# Altium PCB PCB1.PcbDoc (part 1 of 2)
Units mil, origin at the board's own origin, x right, y up, seen from the top; angles counter-clockwise.
Board outline 1850.39 x 1850.39 mil, 4 copper layers (Component Side, Ground Plane, Power Plane, Solder Side), stack 33.234 mil thick; 81 components, 68 nets, 324 pads, 677 vias.
Unrouted connection lines stored in the file: 1.
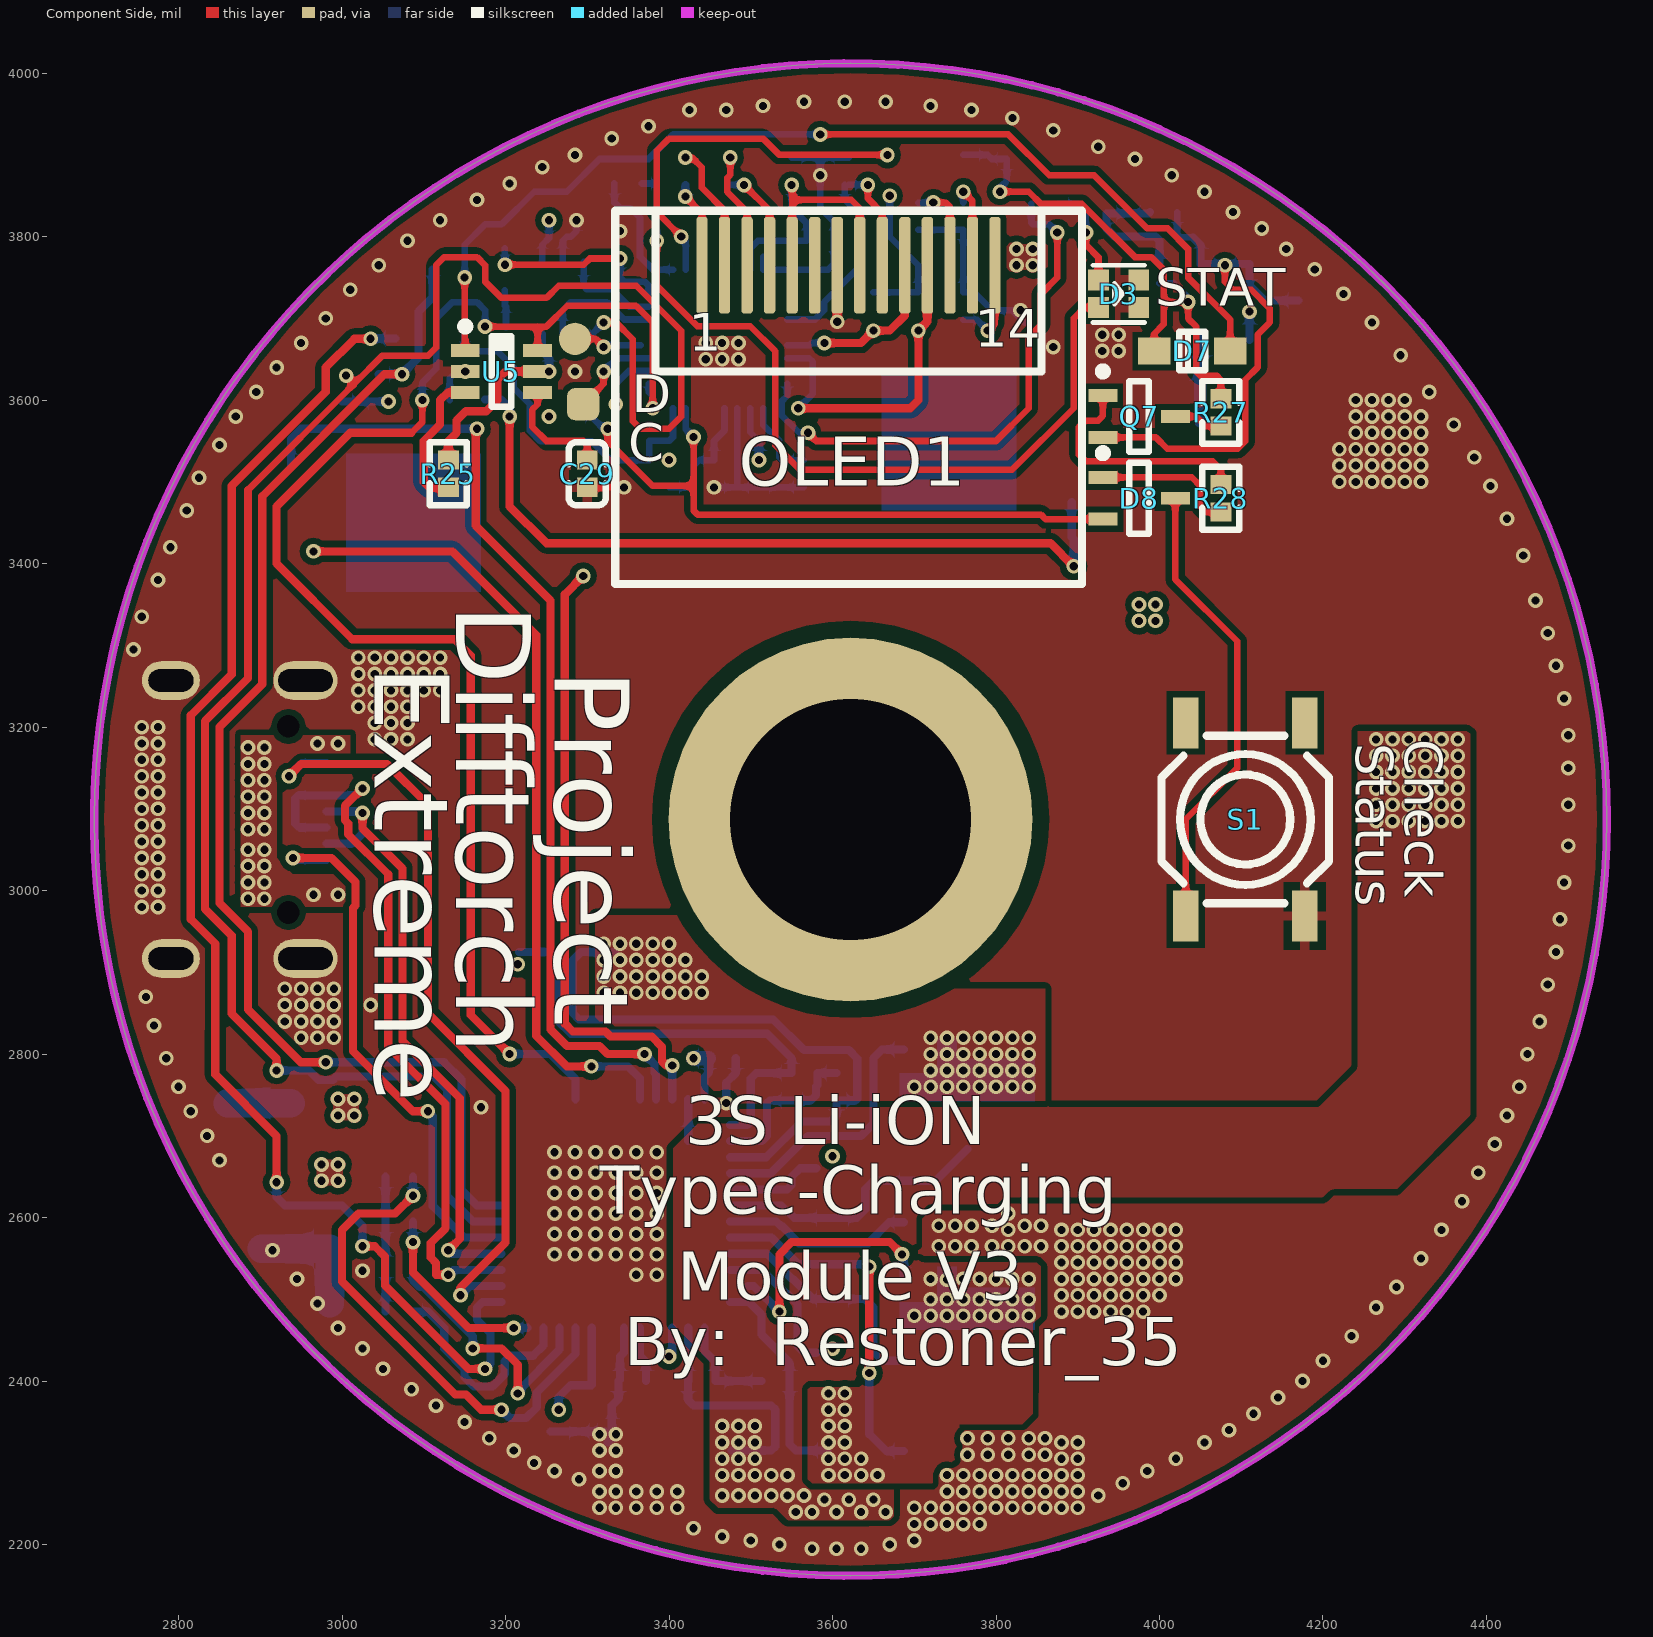
[diagram p0: Component Side view]
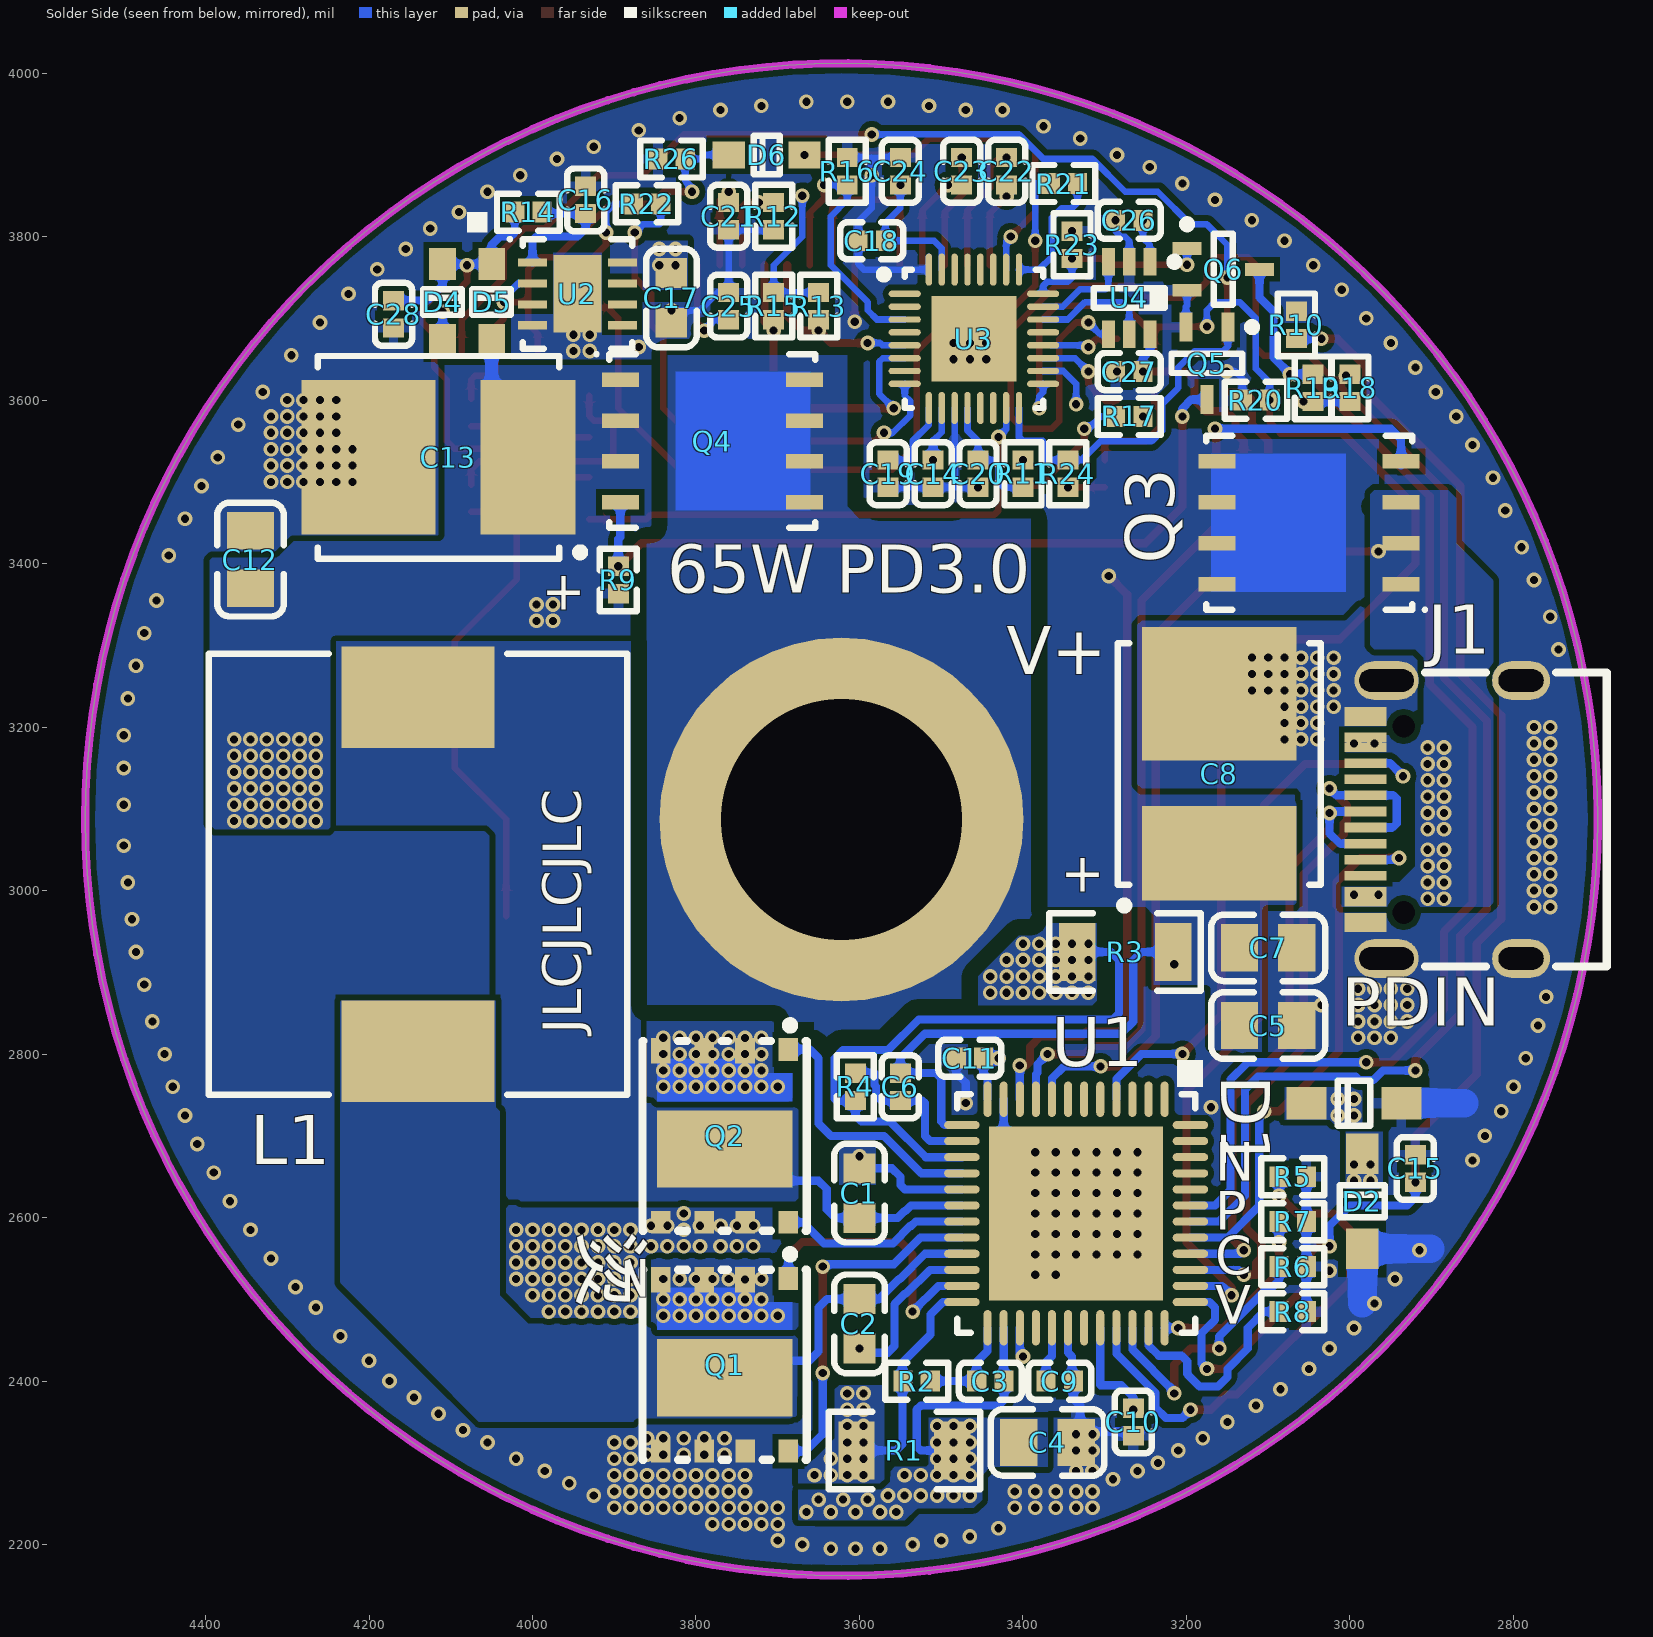
[diagram p1: Solder Side view, seen from below]
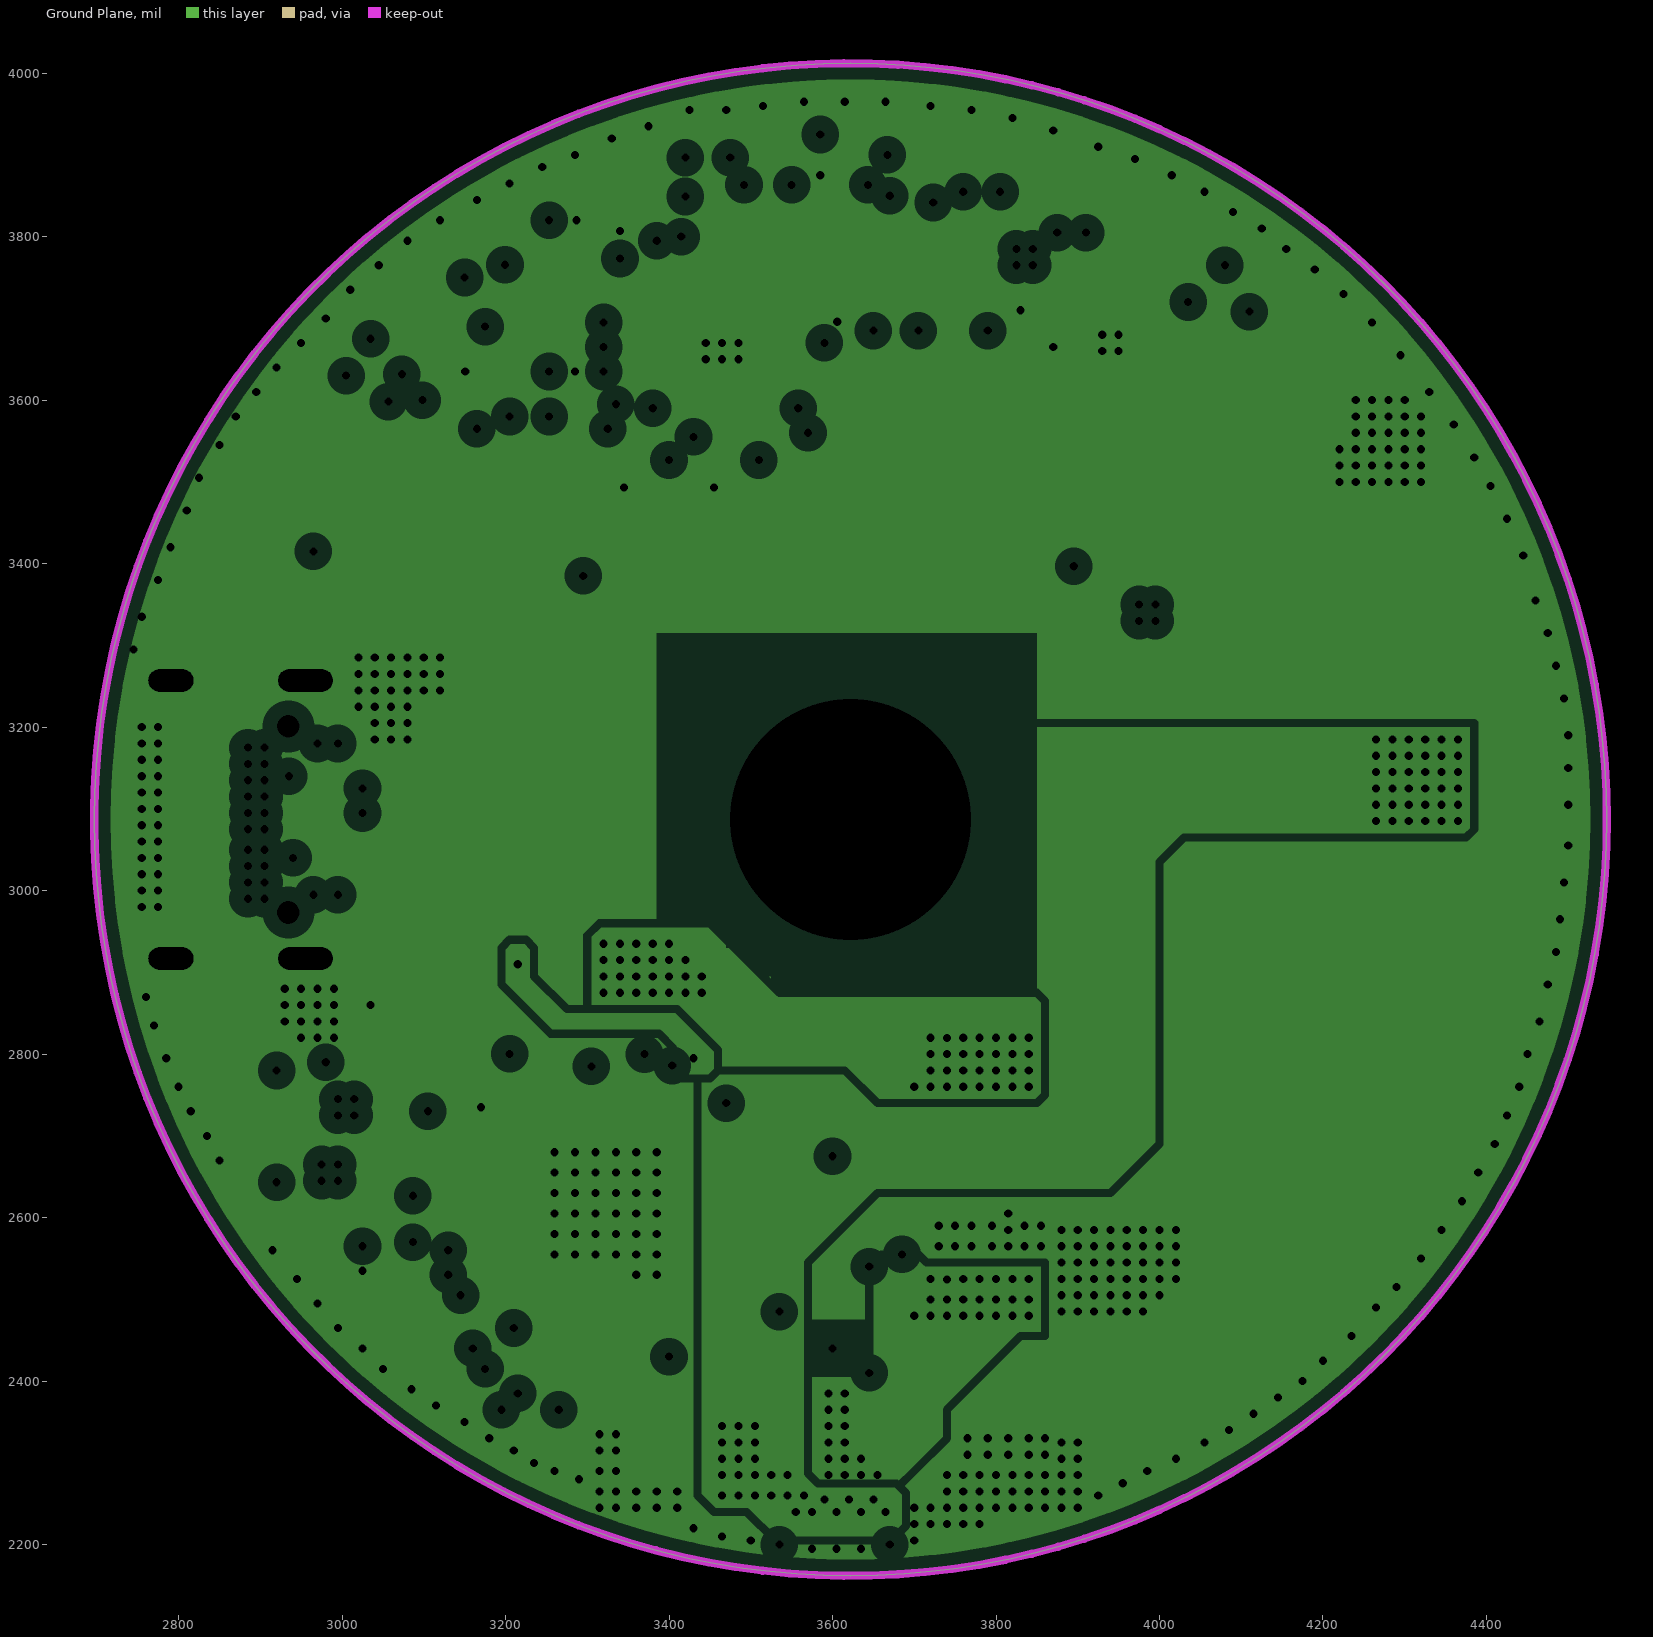
[diagram p2: Ground Plane, clearances drawn from the general rule]
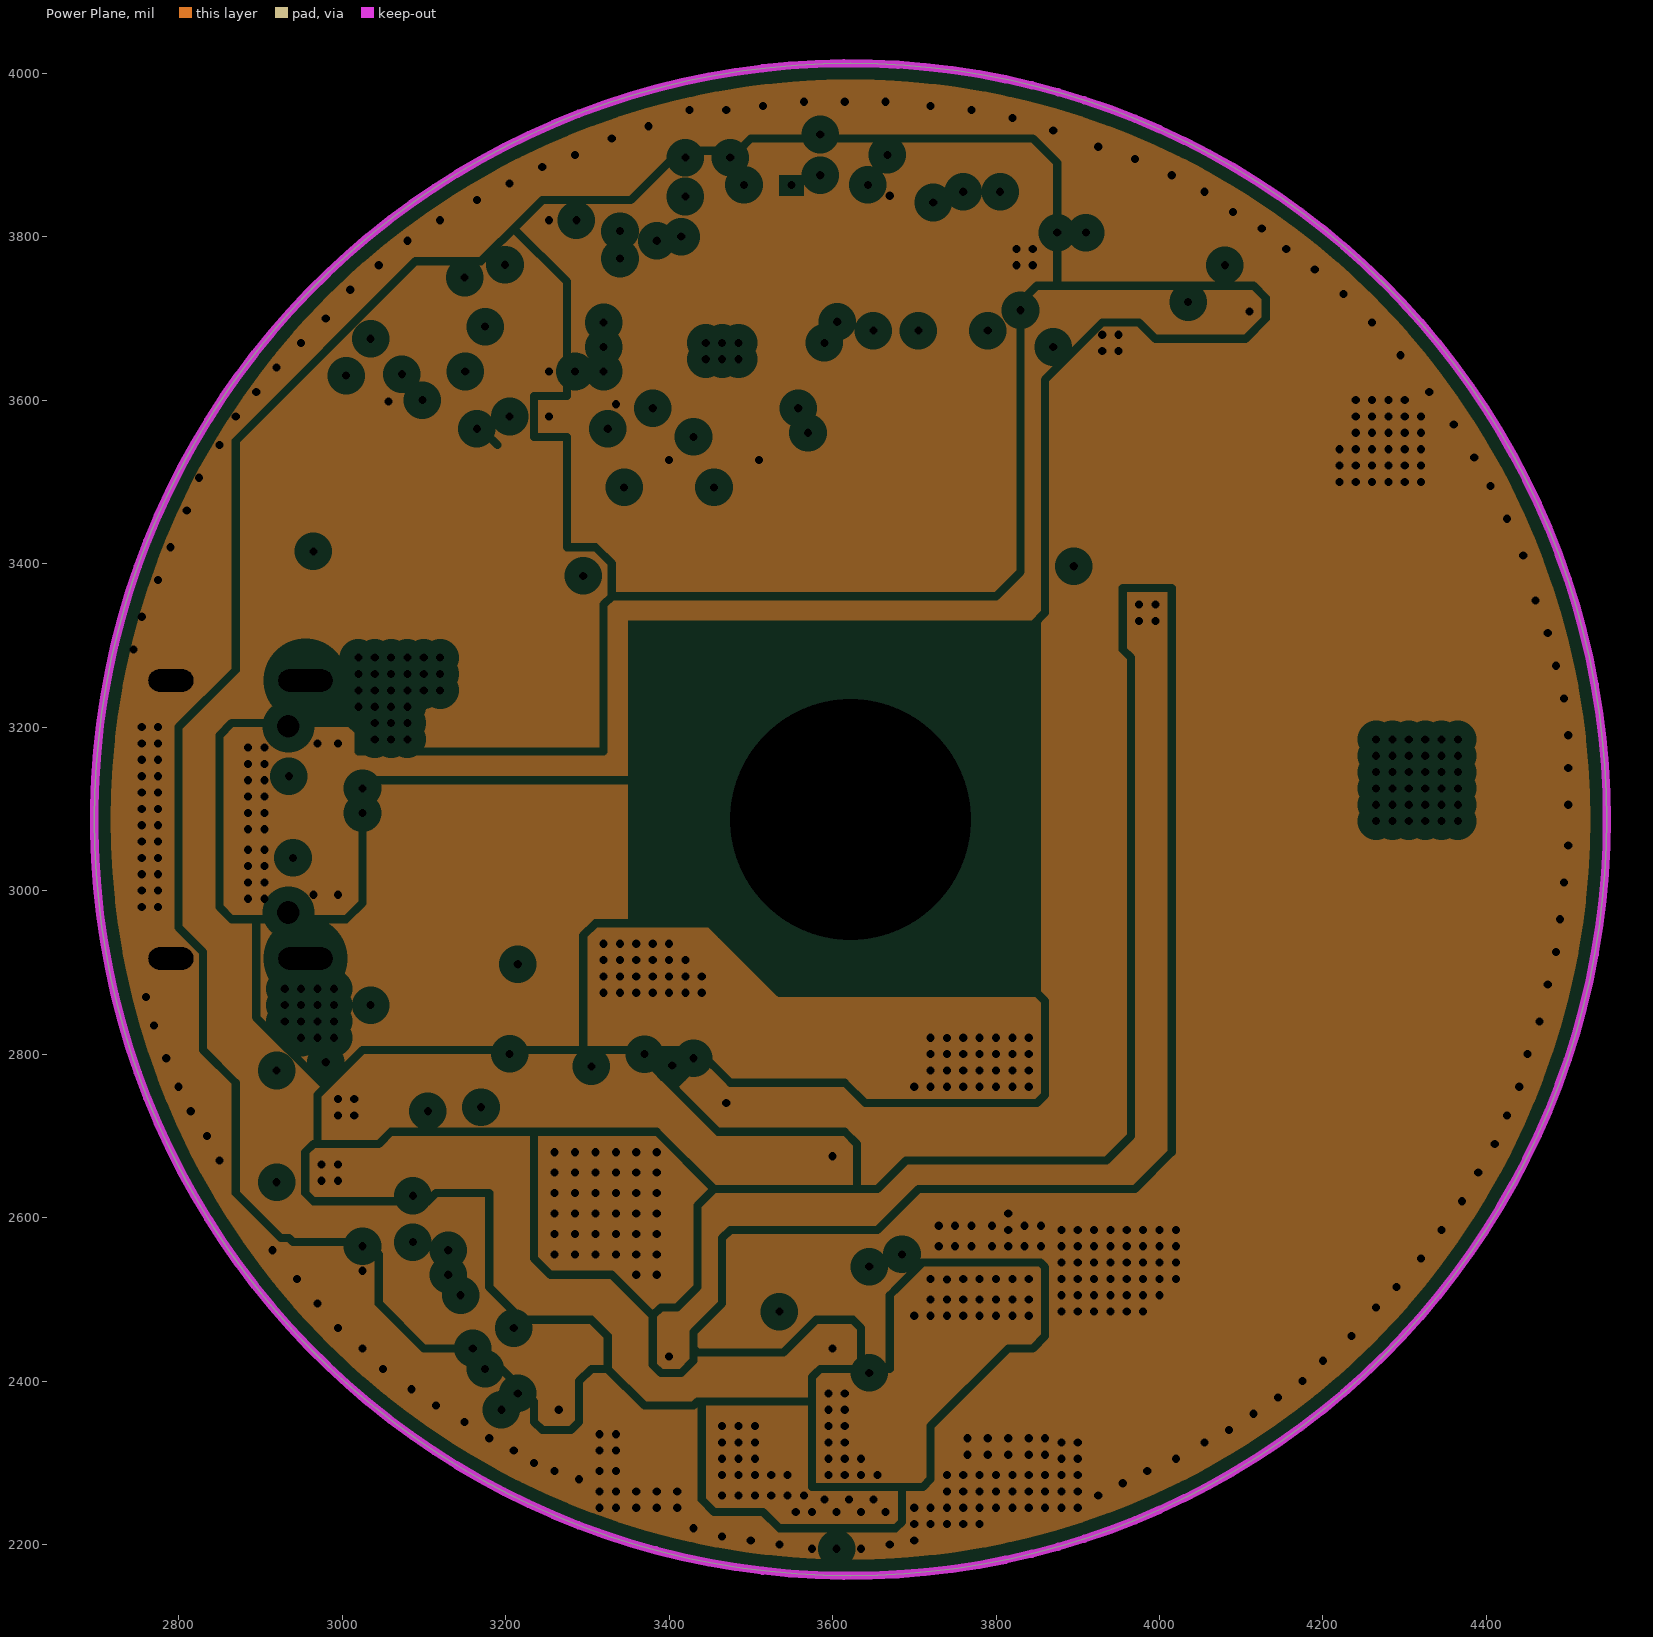
[diagram p3: Power Plane, clearances drawn from the general rule]
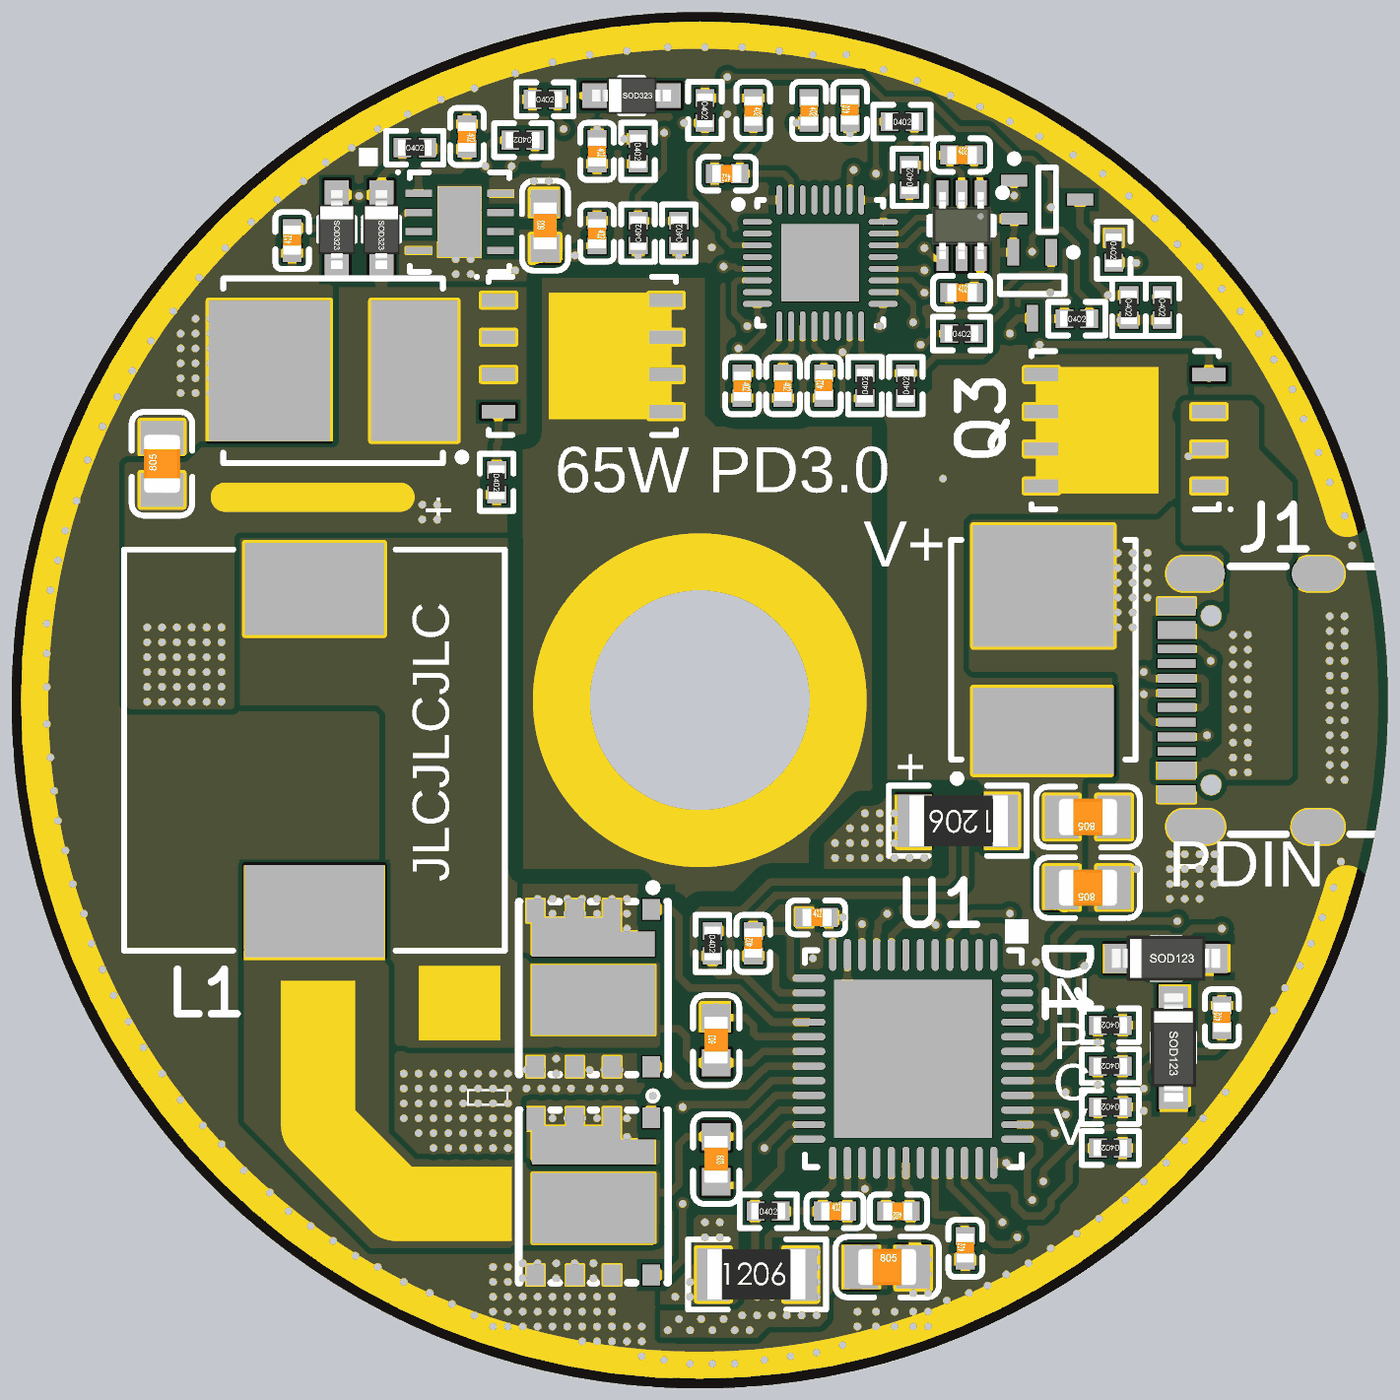
[diagram p5: 3D render of the assembled board from below, using the file's embedded part models]

## Layer stack, top to bottom
Top Solder: solder mask 0.4, Solder Resist, Dk 3.5
Component Side: signal copper 1.4
Dielectric 1: core 12.6, FR-4, Dk 4.8
Ground Plane: plane copper 1.417
Dielectric 3: prepreg 5, Dk 4.2
Power Plane: plane copper 1.417
Dielectric 4: core 10, Dk 4.2
Solder Side: signal copper 1.4
Bottom Solder: solder mask 0.4, Solder Resist, Dk 3.5

## Board outline
2696.81,3087.01 ccw(c3622.01,3087.01) 3622.01,2161.81 ccw(c3622.01,3087.01) 4547.2,3087.01 ccw(c3622.01,3087.01) 3622.01,4012.2 ccw(c3622.01,3087.01)

## Design rules (kind name [scope] priority, off if disabled: settings)
Clearance Clearance_1 [InNet('VBAT')] p1: gap=20
Clearance [All] p2: gap=7.5
HoleSize [All] p1: absolutevalues=TRUE maxlimit=314.96 minlimit=1 maxpercent=80.000 minpercent=20.000
PlaneClearance [All] p1: clearance=18
PlaneConnect [All] p1: planeconnectstyle=Direct reliefexpansion=20 reliefentries=4 reliefconductorwidth=10 reliefairgap=10
PolygonConnect PolygonConnect_1 [IsVia] p1: connectstyle=Direct reliefconductorwidth=10 reliefentries=4 polygonreliefangle="90 Angle" airgapwidth=10
PolygonConnect [All] p2: connectstyle=Relief reliefconductorwidth=12 reliefentries=4 polygonreliefangle="90 Angle" airgapwidth=10
RoomDefinition U_DCDC [InComponentClass('U_DCDC')] p1: confinementstyle=ConfineIn formatcopy=TRUE lockcomponents=FALSE outline 0,0 2000,0 2000,1000 0,1000
RoomDefinition U_MCU [InComponentClass('U_MCU')] p2: confinementstyle=ConfineIn formatcopy=TRUE lockcomponents=FALSE outline 4590,2220 5000,2220 5000,2665 4590,2665
RoutingVias [All] p1: holewidth=28 width=50 viastyle="Through Hole" minholewidth=28 minwidth=50 maxholewidth=28 maxwidth=50
SolderMaskExpansion [All] p1: expansion=4
Width [All] p1: maxlimit=200 minlimit=8 preferedwidth=10
27 further rules are at their usual default settings.

## Classes and differential pairs
component class U_MCU: C14 C18 C19 C20 C21 C22 C23 C24 C25 C26 C27 C29 D6 D7 OLED1 Q5 Q6 R11 R12 R13 R15 R16 R23 R24 R25 R26 U3 U4 U5
component class U_DCDC: C1 C2 C3 C4 C5 C6 C7 C8 C9 C10 C11 C12 C13 C15 C16 C17 C28 D1 D2 D3 D4 D5 D8 J1 L1 Q1 Q2 Q3 Q4 Q7 R1 R2 R3 R4 R5 R6 R7 R8 R9 R10 R14 R17 R18 R19 R20 R21 R22 R27 R28 S1 U1 U2
